# Altium PCB main_io.PcbDoc (part 1 of 6) (continued)
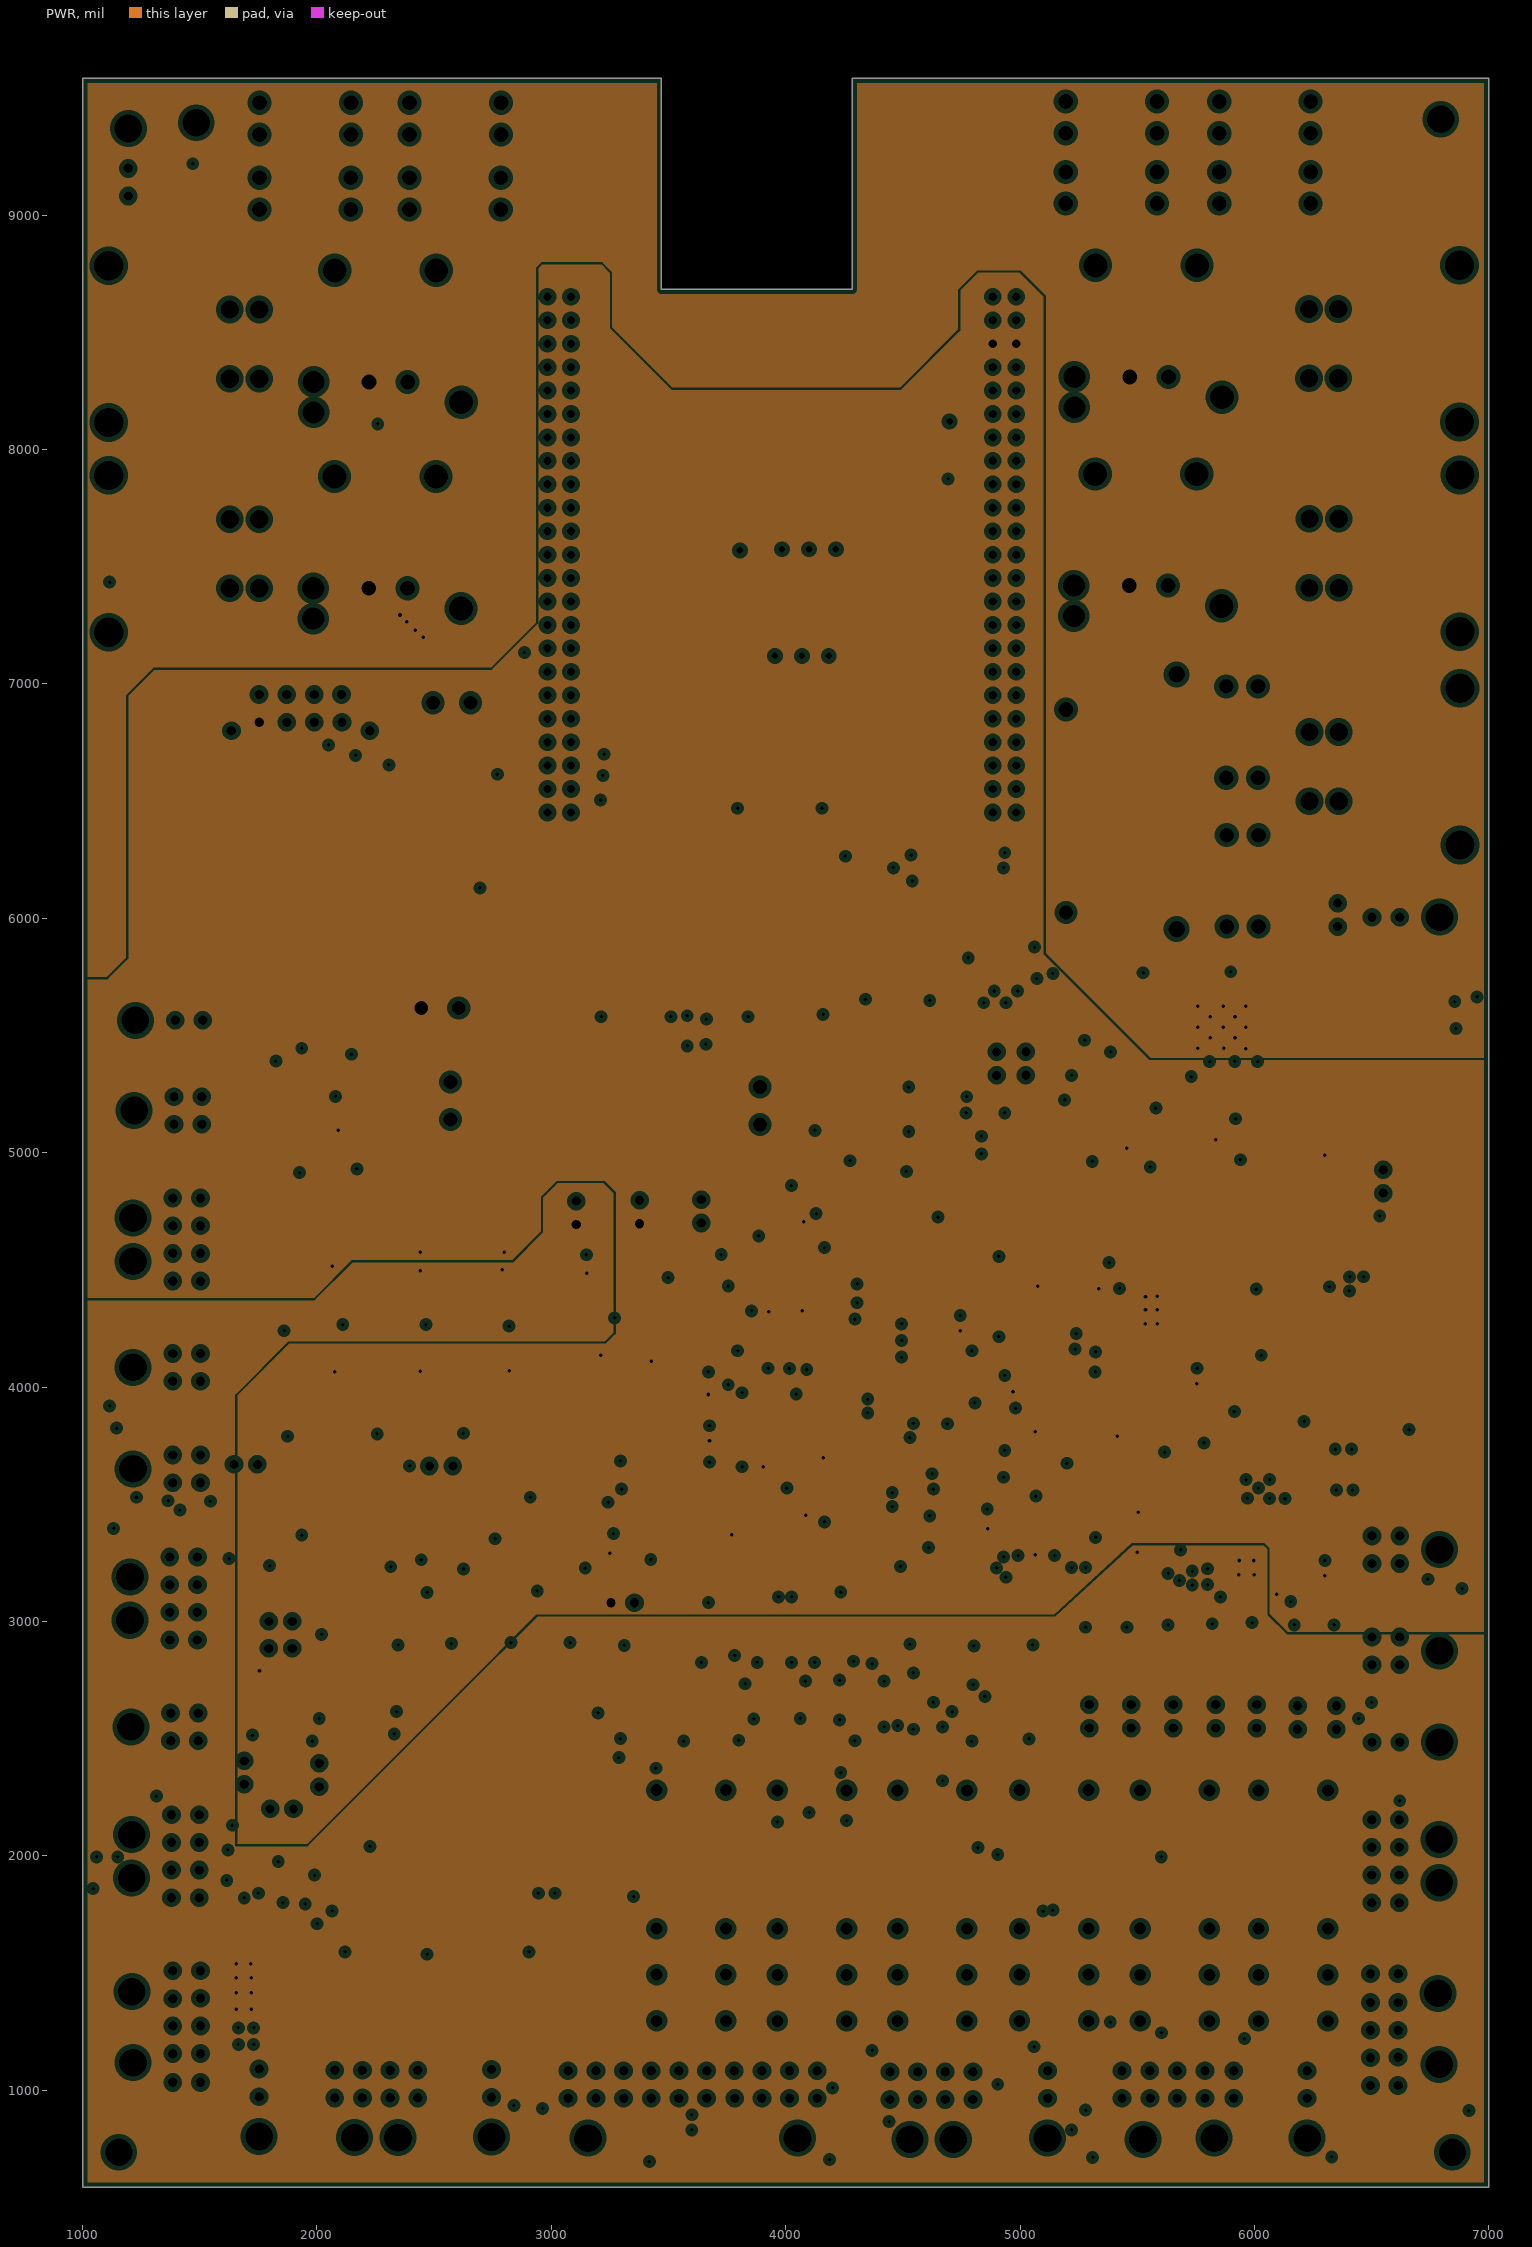
[diagram p3: PWR, clearances drawn from the general rule]
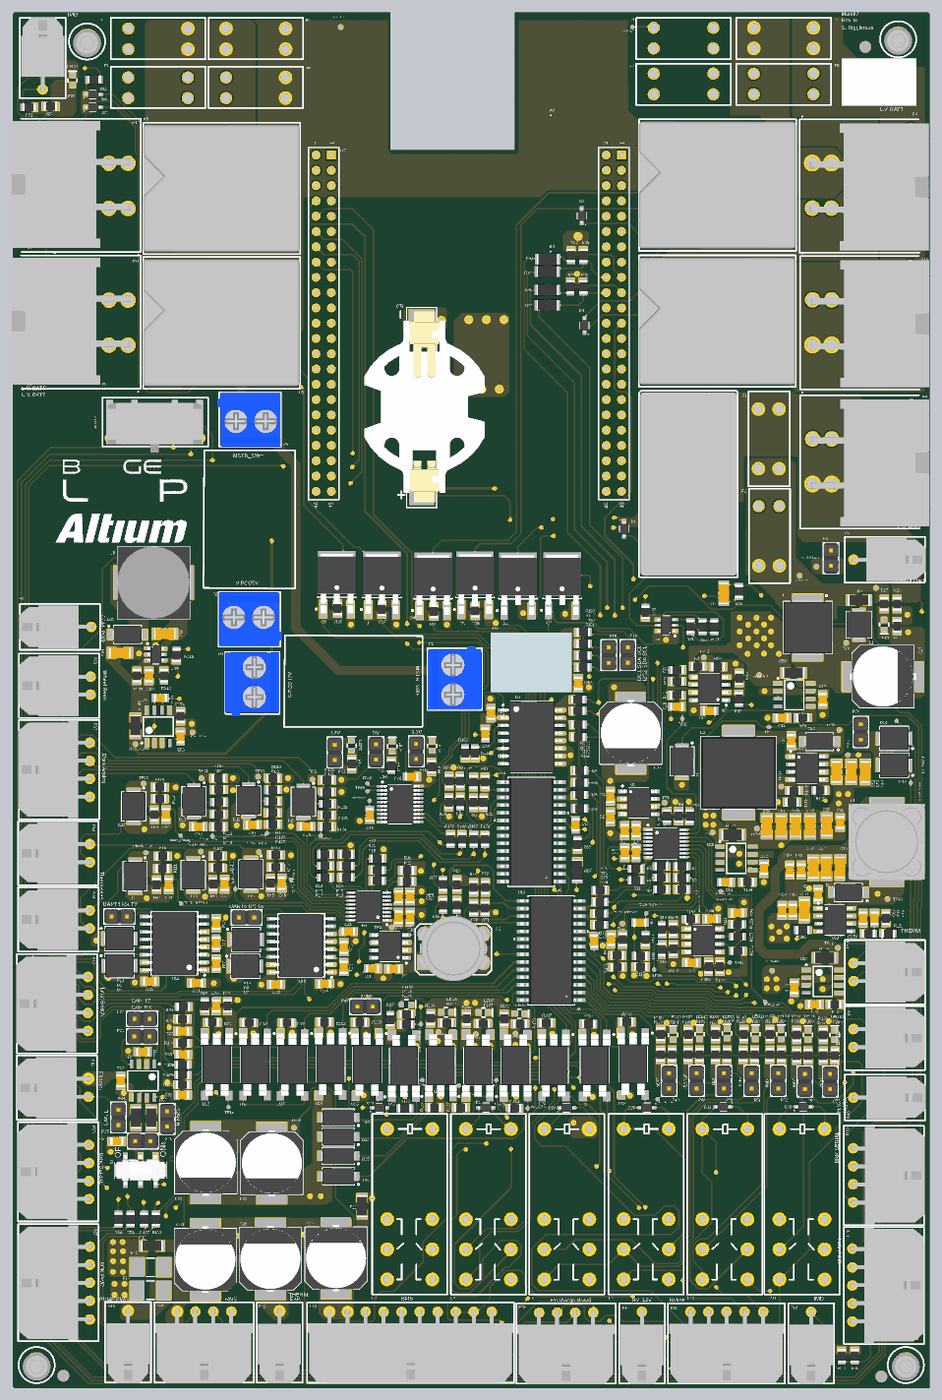
[diagram p9: 3D render of the assembled board from above, using the file's embedded part models]

## Layer stack, top to bottom
Top Solder: solder mask 0.4, Solder Resist, Dk 3.5
Top Layer: signal copper 1.4
Dielectric 1: prepreg 5, FR-4, Dk 4.2
GND: plane copper 1.417, net GND
Dielectric 3: dielectric 10, Dk 4.2
PWR: plane copper 1.417, net (Multiple Nets)
Dielectric 2: prepreg 5, Dk 4.2
Bottom Layer: signal copper 1.4
Bottom Solder: solder mask 0.4, Solder Resist, Dk 3.5

## Board outline
3470,9585 3470,8685 4285,8685 4285,9585 7000,9585 7000,585 1000,585 1000,9585

## Design rules (kind name [scope] priority, off if disabled: settings)
Clearance [All] p1: gap=10 ignorepadtopadclearanceinfootprint=TRUE except(0: Arc-Hole Track-Hole SMDPad-Hole THPad-Hole Via-Hole Fill-Hole Poly-Hole Region-Hole Text-Hole)
DiffPairsRouting [InDifferentialPairClass('All Differential Pairs')] p1: maxlimit=10 minlimit=10 mostfreqgap=10 toplayer_minwidth=10 toplayer_maxwidth=10 toplayer_prefwidth=10 bottomlayer_minwidth=10 bottomlayer_maxwidth=10 bottomlayer_prefwidth=10 maxuncoupledlength=500
Height [All] p1: minheight=0 maxheight=5000 prefheight=500
HoleSize [All] p1: absolutevalues=TRUE maxlimit=250 minlimit=4 maxpercent=80.000 minpercent=20.000
MatchedLengths [InDifferentialPairClass('All Differential Pairs')] p1: tolerance=100 checknetsindiffpair=TRUE checkdiffpairvsdiffpair=FALSE checkxsignals=FALSE checkothers=FALSE
MinimumSolderMaskSliver [HasFootprint('No Footprint')] p1: minsoldermaskwidth=2.5
PlaneClearance [All] p1: clearance=20
PlaneConnect [All] p1: planeconnectstyle=Direct reliefexpansion=20 reliefentries=4 reliefconductorwidth=10 reliefairgap=10
PolygonConnect [All] p1: connectstyle=Direct reliefconductorwidth=10 reliefentries=4 polygonreliefangle="90 Angle" airgapwidth=10
RoutingVias [All] p1: holewidth=15 width=30 viastyle="Through Hole" minholewidth=5 minwidth=15 maxholewidth=250 maxwidth=275
SilkToSilkClearance [All] p1: silktosilkclearance=1
SilkToSolderMaskClearance [IsPad] p1: minsilkscreentomaskgap=1 clearancetoexposedcopper=TRUE
SolderMaskExpansion [All] p1: expansion=4 istentingtop=FALSE
Width [All] p1: maxlimit=100 minlimit=7 preferedwidth=10 minimp=50.000000 maximp=50.000000 favimp=50.000000
22 further rules are at their usual default settings.

## Classes and differential pairs
component class power_28V: C82 C83 C84 C85 C86 D32 L5 R209 R210 R211 R212 R213 TP57 TP58 U35 U36
component class arduino_shield: P1 P2 P3 P4 P5 P55
component class shutdown_circuit: C80 C81 D28 D29 D30 D31 K8 K9 K10 K11 LED10 LED11 LED12 LED13 LED14 LED15 LED16 P48 P49 P50 P51 P52 P53 P54 R185 R186 R187 R188 R189 R190 R191 R192 R193 R194 R195 R196 R197 R198 R199 R200 R201 R202 R203 R204 R205 R206 R207 R208 S2 TP55 TP56 U32 U33 U34
component class RTC: BT1 BT2 C77 C78 C79 R179 R180 R181 R182 R183 R184 U31
component class retros: C75 C76 D24 D25 D26 D27 LED6 LED7 LED8 LED9 R162 R163 R164 R165 R166 R167 R168 R169 R170 R171 R172 R173 R174 R175 R176 R177 R178 TP45 TP46 TP47 TP48 TP49 TP50 TP51 TP52 TP53 TP54 U26 U27 U28 U29 U30
component class power_12V: C65 C66 C67 C68 C69 C70 C71 C72 C73 C74 C87 C88 C89 C90 D23 L4 LED5 R150 R151 R152 R153 R154 R155 R156 R157 R158 R159 R160 R161 TP40 TP41 TP42 TP43 TP44 U24 U25
component class power_5V: C51 C52 C53 C54 C55 C56 C57 C58 C59 C60 C61 C62 C63 C64 D22 L3 LED4 R139 R140 R141 R142 R143 R144 R145 R146 R147 R148 R149 TP33 TP34 TP35 TP36 TP37 TP38 TP39 U21 U22 U23
component class motor_controller_interface: C50 D21 F13 F14 K7 P44 P45 P46 P47 R136 R137 R138 U20
component class misc_sensors: C40 C41 C42 C43 C44 C45 C46 C47 C48 C49 D12 D13 D14 D15 D16 D17 D18 D19 D20 R105 R106 R107 R108 R109 R110 R111 R112 R113 R114 R115 R116 R117 R118 R119 R120 R121 R122 R123 R124 R125 R126 R127 R128 R129 R130 R131 R132 R133 R134 R135 TH1 TH2 TH3 TH4 TH5 TH6 TP15 TP16 TP17 TP18 TP19 TP20 TP21 TP22 TP23 TP24 TP25 TP26 TP27 TP28 TP29 TP30 TP31 TP32 U19
component class limit_switches: C36 C37 C38 C39 R93 R94 R95 R96 R97 R98 R99 R100 R101 R102 R103 R104 TP14 U15 U16 U17 U18
component class gpio: C34 C35 R69 R70 R71 R72 R73 R74 R75 R76 R77 R78 R79 R80 R81 R82 R83 R84 R85 R86 R87 R88 R89 R90 R91 R92 U13 U14
component class connectors: 1 D11 MH1 MH2 MH3 MH4 P27 P28 P29 P30 P31 P32 P33 P34 P35 P36 P37 P38 P39 P40 P41 P42 P43 P56 R67 R68 TP59 TP60 TP61
component class can_uart: C21 C22 C23 C24 C25 C26 C27 C28 C29 C30 C31 C32 C33 D7 D8 D9 D10 P22 P23 P24 P25 P26 R65 R66 U10 U11 U12
component class bus_filter: C17 C18 C19 C20 L1 L2 R57 R58 R59 R60 R61 R62 R63 R64 TP8 TP9 TP10 TP11 TP12 TP13 U9
component class bms_interface: C15 C16 F11 F12 LED3 P17 P18 P19 P20 P21 R50 R51 R52 R53 R54 R55 R56 S1
component class beaglebone: C14 LED2 P13 P14 P15 P16 R39 R40 R41 R42 R43 R44 R45 R46 R47 R48 R49 TP7 U7 U8
component class battery_interface: D3 D4 D5 D6 F3 F4 F5 F6 F7 F8 F9 F10 K3 K4 K5 K6 P8 P9 P10 P11 P12 Q3 Q4 Q5 Q6 R35 R36 R37 R38 TP5 TP6
component class batt_protection: C13 D1 D2 F1 F2 K1 K2 LED1 P6 P7 Q1 Q2 R27 R28 R29 R30 R31 R32 R33 R34 TP3 TP4 U6
component class adc: C1 C2 C3 C4 C5 C6 C7 C8 C9 C10 C11 C12 R1 R2 R3 R4 R5 R6 R7 R8 R9 R10 R11 R12 R13 R14 R15 R16 R17 R18 R19 R20 R21 R22 TP1 TP2 U1 U2 U3 U4
differential pair BMS_CAN: +BMS_CAN_P -BMS_CAN_N
differential pair RMS_CAN: +RMS_CAN_P -RMS_CAN_N

## Components (designator, comment, footprint, x,y, rotation, side; value= is the part's Value field where it differs from the comment)
BT2 "BU2032SM-JJ-GTR" "BATTERY HOLDER COIN 20MM" 3675,7000 r90 top
C1 "1µF" SMD-0805C 4910,4457.1 r90 top
C2 "0.10µF" SMD-0805C 4910,4322.1 r270 top
C3 "1µF" SMD-0805C 5080,4232.1 r270 top
C4 "0.10µF" SMD-0805C 5004.37,4232.1 r270 top
C5 "1µF" SMD-0805C 5079.88,4087.24 r270 top
C6 "0.10µF" SMD-0805C 5005,4087.24 r270 top
C7 "1µF" SMD-0805C 3355,3330 r0 top
C8 "0.10µF" SMD-0805C 3490.63,3327.6 r180 top
C9 "1µF" SMD-0805C 3523.95,3665.47 r90 top
C10 "0.10µF" SMD-0805C 3600.4,3665.47 r90 top
C11 "1µF" SMD-0805C 3524.14,3799.43 r90 top
C12 "0.10µF" SMD-0805C 3599.14,3799.43 r90 top
C13 "10µF" SMD-1206C 5654,5785 r270 top
C14 "0.10µF" SMD-0805C 5560,5015 r0 top
C15 "PCR1J101MCL1GS" CAPAE110103X126M 3115,1435 r90 top
C16 "PCR1J101MCL1GS" CAPAE110103X126M 2685,1430 r90 top
C17 "PCR1J101MCL1GS" CAPAE110103X126M 6695,5240 r0 top
C18 "0.10µF" SMD-0805C 6035,4970 r180 top
C19 "0.10µF" SMD-0805C 6300.95,5090 r270 top
C20 "0.10µF" SMD-0805C 5344.87,5043.31 r180 top
C21 "0.10µF" SMD-0805C 3165.84,3338.14 r270 top
C22 "0.10µF" SMD-0805C 1680,2200 r0 top
C23 "0.10µF" SMD-0805C 3165.84,3468.14 r270 top
C24 "0.10µF" SMD-0805C 3040,3230 r180 top
C25 "0.10µF" SMD-0805C 3195,3572.73 r180 top
C26 "0.10µF" SMD-0805C 2720,3225 r0 top
C27 "0.10µF" SMD-0805C 1705,2595 r270 top
C28 "0.10µF" SMD-0805C 1850,2785 r180 top
C29 "0.10µF" SMD-0805C 2330,3360 r270 top
C30 "0.10µF" SMD-0805C 2330,3495 r270 top
C31 "0.10µF" SMD-0805C 2200.96,3234.5 r180 top
C32 "0.10µF" SMD-0805C 2330,3625 r270 top
C33 "0.10µF" SMD-0805C 1895,3245 r0 top
C34 "4.7µF" SMD-0805C 4682.31,4270 r90 top
C35 "4.7µF" SMD-0805C 4805,3508.5 r90 top
C36 "10µF" SMD-0805C 2330,3085 r90 top
C37 "10µF" SMD-0805C 2110,2918.95 r180 top
C38 "10µF" SMD-0805C 2111.76,2767.13 r180 top
C39 "10µF" SMD-0805C 2110,2502.24 r180 top
C40 "0.10µF" SMD-0805C 4915.63,3519.05 r270 top
C41 "0.10µF" SMD-0805C 2019.41,3877.51 r270 top
C42 "0.10µF" SMD-0805C 2385,3880.68 r270 top
C43 "0.10µF" SMD-0805C 2212.28,4257.51 r180 top
C44 "0.10µF" SMD-0805C 2000.8,4336.57 r270 top
C45 "0.10µF" SMD-0805C 2760,3888.05 r270 top
C46 "0.10µF" SMD-0805C 5105,3630 r180 top
C47 "0.10µF" SMD-0805C 2566.89,4269.72 r180 top
C48 "0.10µF" SMD-0805C 4700,5195 r270 top
C49 "0.10µF" SMD-0805C 2919.44,4257.99 r180 top
C50 "PCR1J101MCL1GS" CAPAE110103X126M 2259.53,1425 r90 top
C51 "10000pF" SMD-0805C 6095,4820.24 r90 top
C52 "22µF" SMD-1206C 6392.17,4616.27 r270 top
C53 "4.7µF" SMD-1206C 6487.17,4616.27 r270 top
C54 "4.7µF" SMD-1206C 6580,4615.24 r270 top
C55 "0.10µF" SMD-0805C 6414.65,4285.24 r90 top
C56 "22µF" SMD-1206C 6218.39,4260.24 r90 top
C57 "22µF" SMD-1206C 6326.81,4265.24 r90 top
C58 "22µF" SMD-1206C 5934.25,4260.24 r90 top
C59 "22µF" SMD-1206C 6029.25,4260.24 r90 top
C60 "22µF" SMD-1206C 6123.39,4260.24 r90 top
C61 "0.10µF" SMD-0805C 5665,3895 r180 top
C62 "0.10µF" SMD-0805C 5916.18,3985 r90 top
C63 "0.10µF" SMD-0805C 5442.8,3367.65 r180 top
C64 "0.10µF" SMD-0805C 5572.8,3654.39 r0 top
C65 "0.10µF" SMD-0805C 6270,3815 r90 top
C66 "22µF" SMD-1206C 6180.63,3712.69 r90 top
C67 "4.7µF" SMD-0805C 6105,3710 r90 top
C68 "4.7µF" SMD-0805C 6035,3710 r90 top
C69 "6.8pF" SMD-0805C 6565,3659.13 r90 top
C70 "22µF" SMD-1206C 6415,3991.2 r270 top
C71 "1500pF" SMD-0805C 6640,3659.13 r270 top
C72 "0.10µF" SMD-0805C 6247,3095 r180 top
C73 "0.10µF" SMD-0805C 6115,3205 r270 top
C74 "0.10µF" SMD-0805C 5742.8,3693.35 r0 top
C75 "0.10µF" SMD-0805C 3335.24,4335.32 r270 top
C76 "0.10µF" SMD-0805C 3610.24,4585.32 r180 top
C77 "PCR1J101MCL1GS" CAPAE110103X126M 5045,4870 r270 top
C78 "0.10µF" SMD-0805C 4130,5000 r270 top
C79 "1µF" SMD-0805C 4092.36,4865 r270 top
C80 "PCR1J101MCL1GS" CAPAE110103X126M 2695,2055 r270 top
C81 "PCR1J101MCL1GS" CAPAE110103X126M 2262.24,2060 r270 top
C82 "2.2µF" SMD-1206C 1994.45,5520 r180 top
C83 "680pF" SMD-0805C 1890,5245 r270 top
C84 "4.7µF" SMD-1206C 1700,5395 r0 top
C85 "0.10µF" SMD-0805C 2096.83,4845.31 r270 top
C86 "0.10µF" SMD-0805C 1965,5100 r0 top
C87 "22µF" SMD-1206C 6325,3988.97 r270 top
C88 "22µF" SMD-1206C 6240,3988.97 r270 top
C89 "0.10µF" SMD-0805C 6160,3973.97 r270 top
C90 "1µF" SMD-0805C 6084.37,3973.97 r270 top
D1 "B140WS-7" SODFL250X110-2N 5000,6205 r90 top
D2 "B140WS-7" SODFL250X110-2N 4095,2420 r0 top
D3 "B140WS-7" SODFL250X110-2N 4723,8256 r270 top
D4 "B140WS-7" SODFL250X110-2N 4741,7539 r270 top
D5 "B140WS-7" SODFL250X110-2N 1525,8965 r180 top
D6 "B140WS-7" SODFL250X110-2N 1525,9050 r180 top
D7 "SMBJ8.0CA" DIOM4436X26N 2520,3344.27 r0 top
D8 "SMBJ8.0CA" DIOM4436X26N 2525,3520 r0 top
D9 "SMBJ8.0CA" DIOM4436X26N 1697.38,3348.14 r0 top
D10 "SMBJ8.0CA" DIOM4436X26N 1698.01,3525.68 r0 top
D11 "SMBJ15A" DIOM4436X26N 5380,4685 r270 top
D12 "SMBJ15A" DIOM4436X26N 1799.41,3933.95 r270 top
D13 "SMBJ15A" DIOM4436X26N 2180,3941.68 r270 top
D14 "SMBJ15A" DIOM4436X26N 6769.29,4835 r180 top
D15 "SMBJ15A" DIOM4436X26N 2185,4425 r270 top
D16 "SMBJ15A" DIOM4436X26N 2558.15,3946.04 r270 top
D17 "SMBJ15A" DIOM4436X26N 1790,4390.93 r270 top
D18 "SMBJ15A" DIOM4436X26N 6769.29,4660 r180 top
D19 "SMBJ15A" DIOM4436X26N 2541.89,4429.72 r270 top
D20 "SMBJ15A" DIOM4436X26N 2901.21,4420.98 r270 top
D21 "B140WS-7" SODFL250X110-2N 3401.36,2418.78 r180 top
D22 "B340A-13-F" DIOM4326X20N 6280,4815.24 r180 top
D23 "B340A-13-F" DIOM4326X20N 6470,3827.69 r180 top
D24 "SMAJ24A" INDM5026X18N 3131.21,2230 r180 top
D25 "SMAJ24A" INDM5026X18N 3131.21,2104 r180 top
D26 "SMAJ24A" INDM5026X18N 3131.21,1970 r180 top
D27 "SMAJ24A" INDM5026X18N 3131.21,2355 r180 top
D28 "B140WS-7" SODFL250X110-2N 4625,2418.78 r180 top
D29 "B140WS-7" SODFL250X110-2N 5147.8,2420 r0 top
D30 "B140WS-7" SODFL250X110-2N 6175.12,2425 r180 top
D31 "B140WS-7" SODFL250X110-2N 5647.8,2425 r0 top
D32 "B340A-13-F" DIOM4326X20N 1750,5515 r0 top
F1 "3568" "Fuse Holder 30A 500V 1 Circuit Blade Through Hole" 5880,6990 r270 top
F2 "3568" "Fuse Holder 30A 500V 1 Circuit Blade Through Hole" 5882.28,6355 r270 top
F3 "3568" "Fuse Holder 30A 500V 1 Circuit Blade Through Hole" 5585,9185 r180 top
F4 "3568" "Fuse Holder 30A 500V 1 Circuit Blade Through Hole" 5585,9485 r180 top
F5 "3568" "Fuse Holder 30A 500V 1 Circuit Blade Through Hole" 6240,9185 r180 top
F6 "3568" "Fuse Holder 30A 500V 1 Circuit Blade Through Hole" 6240,9485 r180 top
F7 "3568" "Fuse Holder 30A 500V 1 Circuit Blade Through Hole" 2394.37,9025 r0 top
F8 "3568" "Fuse Holder 30A 500V 1 Circuit Blade Through Hole" 2395,9345 r0 top
F9 "3568" "Fuse Holder 30A 500V 1 Circuit Blade Through Hole" 1754.37,9025 r0 top
F10 "3568" "Fuse Holder 30A 500V 1 Circuit Blade Through Hole" 1755,9345 r0 top
F11 "F2570CT" SMD-1206-RES 3285,1775 r270 top
F12 "F2570CT" SMD-1206-RES 1910,1515 r0 top
F13 "CB61F15A-TR1" RESC6132X26N 1900,1375 r180 top
F14 "CB61F15A-TR1" RESC6132X26N 1900,1225 r180 top
K1 "PCFN-124D2M,000" PCFN-124D2M,000 5668.44,7040.75 r270 top
K2 "G2RL-24_DC24" G2RL 3964.72,2279.25 r90 top
K3 "1393277-8" "RELAY AUTOMOTIVE SPDT 45A 24V - duplicate" 5322.24,8786.38 r180 top
K4 "1393277-8" "RELAY AUTOMOTIVE SPDT 45A 24V - duplicate" 5320.55,7896.38 r180 top
K5 "1393277-8" "RELAY AUTOMOTIVE SPDT 45A 24V - duplicate" 2075,7885 r180 top
K6 "1393277-8" "RELAY AUTOMOTIVE SPDT 45A 24V - duplicate" 2075.96,8765 r180 top
K7 "G2RL-24_DC24" G2RL 3449.72,2280 r90 top
K8 "G2RL-24_DC24" G2RL 4477.8,2279.53 r90 top
K9 "G2RL-24_DC24" G2RL 4997.8,2280 r90 top
K10 "G2RL-24_DC24" G2RL 5512.8,2279.53 r90 top
K11 "G2RL-24_DC24" G2RL 6017.8,2279.53 r90 top
L1 "0410CDMCCDS-R10MC" INDM4442X20N 6538.27,5580 r270 top
L2 "IHLP3232DZER1R0M11" INDM8682X40N 6203.27,5560 r270 top
L3 "SRR1280A-330M" INDM120125X75N 5750,4611.19 r270 top
L4 "SRR1208-120ML" INDP127127X83N 6720,4158.78 r90 top
L5 "CDRH127NP-100MC" INDP120120X80N 1920,5855 r180 top
LED1 "LED GREEN 0603" "LED 0603 GREEN" 6703.27,5580 r270 top
LED2 "RED" "LED 0603 RED" 3743.29,4786.48 r90 top
LED3 "LED GREEN 0603" "LED 0603 GREEN" 1390,9140 r90 top
LED4 "LED GREEN 0603" "LED 0603 GREEN" 3482.74,4781.89 r90 top
LED5 "LED GREEN 0603" "LED 0603 GREEN" 3217.69,4788.19 r90 top
LED6 "LED GREEN 0603" "LED 0603 GREEN" 3835,3043.62 r0 top
LED7 "LED GREEN 0603" "LED 0603 GREEN" 4079.53,3041.73 r0 top
LED8 "LED GREEN 0603" "LED 0603 GREEN" 4315,3033.78 r0 top
LED9 "LED GREEN 0603" "LED 0603 GREEN" 3575,3095 r0 top
LED10 "LED GREEN 0603" "LED 0603 GREEN" 5674.13,2905 r90 top
LED11 "LED GREEN 0603" "LED 0603 GREEN" 5860,2900 r90 top
LED12 "LED GREEN 0603" "LED 0603 GREEN" 5320.55,2895 r90 top
LED13 "LED GREEN 0603" "LED 0603 GREEN" 5495,2900 r90 top
LED14 "LED GREEN 0603" "LED 0603 GREEN" 6030,2900 r90 top
LED15 "LED GREEN 0603" "LED 0603 GREEN" 6205,2895 r90 top
LED16 "LED GREEN 0603" "LED 0603 GREEN" 6379.45,2895 r90 top
MH1 "4-40 Mount Hole" MH 6795,9410 r0 top
MH2 "4-40 Mount Hole" MH 1155,735 r0 top
MH3 "4-40 Mount Hole" MH 1485,9395 r0 top
MH4 "4-40 Mount Hole" MH 6845,735 r0 top
P1 "Screw Terminal 2x1" "2POS TERM BLOCK" 3890,5120 r90 top
P2 "Screw Terminal 2x1" "2POS TERM BLOCK" 2445,5617.28 r0 top
P3 "Screw Terminal 2x1" "2POS TERM BLOCK" 2655,6920 r180 top
P4 "Screw Terminal 2x1" "2POS TERM BLOCK" 2570,5301.17 r270 top
P5 "43045-0200" 430450200 1225,5565 r270 top
P6 "Header 2" "Pin Header 1x2 TH Pitch 2.54mm" 6355,5965 r90 top
P7 "43045-0200" 430450200 6790,6005 r90 top
P8 "0431605302" "CONN HDR 2POS 7.50MM" 6877.13,6312.99 r90 top
P9 "0431605302" "CONN HDR 2POS 7.50MM" 6874.96,8117.99 r90 top
P10 "0431605302" "CONN HDR 2POS 7.50MM" 6876.93,7222.99 r90 top
P11 "0431605302" "CONN HDR 2POS 7.50MM" 1111.27,7890 r270 top
P12 "0431605302" "CONN HDR 2POS 7.50MM" 1111.1,8785 r270 top
P13 "Header 2" "Pin Header 1x2 TH Pitch 2.54mm" 1746,3669.89 r180 top
P14 "Header 2" "Pin Header 1x2 TH Pitch 2.54mm" 2580,3663.21 r180 top
P15 "Header 2" "Pin Header 1x2 TH Pitch 2.54mm" 4900,5330 r90 top
P16 "Header 2" "Pin Header 1x2 TH Pitch 2.54mm" 5025,5330.51 r90 top
P17 "43045-0200" 430450200 1195,9370 r180 top
P18 "43045-2000" 430452000 4050.49,795 r0 top
P19 "43045-0200" 430450200 6225,795 r0 top
P20 "43045-0200" 430450200 2745,800 r0 top
P21 "43045-0400" 430450400 1205.63,2550 r270 top
P22 "Header 2" "Pin Header 1x2 TH Pitch 2.54mm" 1900,2200 r180 top
P23 "Header 2" "Pin Header 1x2 TH Pitch 2.54mm" 1794.39,2885 r0 top
P24 "Header 2" "Pin Header 1x2 TH Pitch 2.54mm" 1895,3000 r180 top
P25 "Header 2" "Pin Header 1x2 TH Pitch 2.54mm" 1690,2405 r270 top
P26 "Header 2" "Pin Header 1x2 TH Pitch 2.54mm" 2010,2395 r270 top
P27 "43045-1000" 430451000 1215,1117 r270 top
P28 "43045-0800" 430450800 1209.49,1905 r270 top
P29 "43045-1000" 430451000 6783.27,1413 r90 top
P30 "43045-0800" 430450800 6788.27,2070 r90 top
P31 "Header 2" "Pin Header 1x2 TH Pitch 2.54mm" 3640,4700 r90 top
P32 "Header 2" "Pin Header 1x2 TH Pitch 2.54mm" 3376.76,4696.89 r90 top
P33 "Header 2" "Pin Header 1x2 TH Pitch 2.54mm" 3106.3,4693.52 r90 top
P34 "Header 2" "Pin Header 1x2 TH Pitch 2.54mm" 6550,4927.6 r270 top
P35 "43045-0400" 430450400 1215,3651 r270 top
P36 "43045-1000" 430451000 5828,795 r0 top
P37 "43045-0800" 430450800 1215,4536.24 r270 top
P38 "43045-0400" 430450400 1220,5180 r270 top
P39 "43045-0400" 430450400 6790,2874.49 r90 top
P40 "43045-0200" 430450200 6790,2485 r90 top
P41 "43045-0400" 430450400 6790,3306 r90 top
P42 "43045-0400" 430450400 1215,4084.12 r270 top
P43 "43045-0800" 430450800 1202,3005 r270 top
P44 "43045-0800" 430450800 2346,797 r0 top
P45 "43045-0200" 430450200 1753.23,802 r0 top
P46 "43045-0200" 430450200 5117.52,795 r0 top
P47 "Header 2" "Pin Header 1x2 TH Pitch 2.54mm" 3355,3080 r180 top
P48 "Header 2" "Pin Header 1x2 TH Pitch 2.54mm" 5295,2545 r90 top
P49 "Header 2" "Pin Header 1x2 TH Pitch 2.54mm" 5475,2545 r90 top
P50 "Header 2" "Pin Header 1x2 TH Pitch 2.54mm" 5653.7,2545 r90 top
P51 "Header 2" "Pin Header 1x2 TH Pitch 2.54mm" 5835.51,2545 r90 top
P52 "Header 2" "Pin Header 1x2 TH Pitch 2.54mm" 6010,2545 r90 top
P53 "Header 2" "Pin Header 1x2 TH Pitch 2.54mm" 6350,2540 r90 top
P54 "Header 2" "Pin Header 1x2 TH Pitch 2.54mm" 6184.45,2640 r270 top
P55 "0430450827" 0430450827 1837,7125 r180 top
P56 "43045-0800" 430450800 4715,790 r0 top
Q1 "N-MOS" DPAK228P991X238-3N 4305.29,5833.23 r90 top
Q2 "N-MOS" DPAK228P991X238-3N 4595,5835 r90 top
Q3 "N-MOS" DPAK228P991X238-3N 4024.76,5840 r90 top
Q4 "N-MOS" DPAK228P991X238-3N 3750.29,5833.23 r90 top
Q5 "N-MOS" DPAK228P991X238-3N 3415.29,5840 r90 top
Q6 "N-MOS" DPAK228P991X238-3N 3120.29,5843.23 r90 top
R1 "10k" SMD-0805-RES 5280.47,4327.1 r90 top
R2 "10k" SMD-0805-RES 5380,3847.1 r0 top
R3 "10k" SMD-0805-RES 5245,3847.1 r180 top
R4 "10k" SMD-0805-RES 5357.72,4327.1 r90 top
R5 "10k" SMD-0805-RES 5078.15,3982.24 r180 top
R6 "0.0" SMD-0805-RES 5243.9,3998.91 r180 top
R7 "0.0" SMD-0805-RES 5378.58,3998.68 r0 top
R8 "0.0" SMD-0805-RES 5243.9,3923.91 r180 top
R9 "0.0" SMD-0805-RES 5377.95,3923.68 r0 top
R10 "10k" SMD-0805-RES 5430,4324.88 r270 top
R11 "10k" SMD-0805-RES 5078.15,3907.24 r0 top
R12 "10k" SMD-0805-RES 3385,4048.27 r0 top
R13 "10k" SMD-0805-RES 3182.66,4076.17 r0 top
R14 "10k" SMD-0805-RES 3043.29,4076.17 r180 top
R15 "10k" SMD-0805-RES 3385,3903.9 r0 top
R16 "10k" SMD-0805-RES 3580.63,3971.18 r0 top
R17 "0.0" SMD-0805-RES 3043.51,3924.94 r180 top
R18 "0.0" SMD-0805-RES 3181.95,3925.63 r0 top
R19 "0.0" SMD-0805-RES 3043.51,4001.67 r180 top
R20 "0.0" SMD-0805-RES 3181.95,4000.63 r0 top
R21 "10k" SMD-0805-RES 3385,3973.27 r180 top
R22 "10k" SMD-0805-RES 3580,3900 r180 top
R27 "1k" SMD-0805-RES 6703.27,5715 r90 top
R28 "510k" SMD-0805-RES 6788.27,5715 r90 top
R29 "255k" SMD-0805-RES 5591,5565 r90 top